# EAGLE board working (EAGLE 9.6.2), part 5 of 28
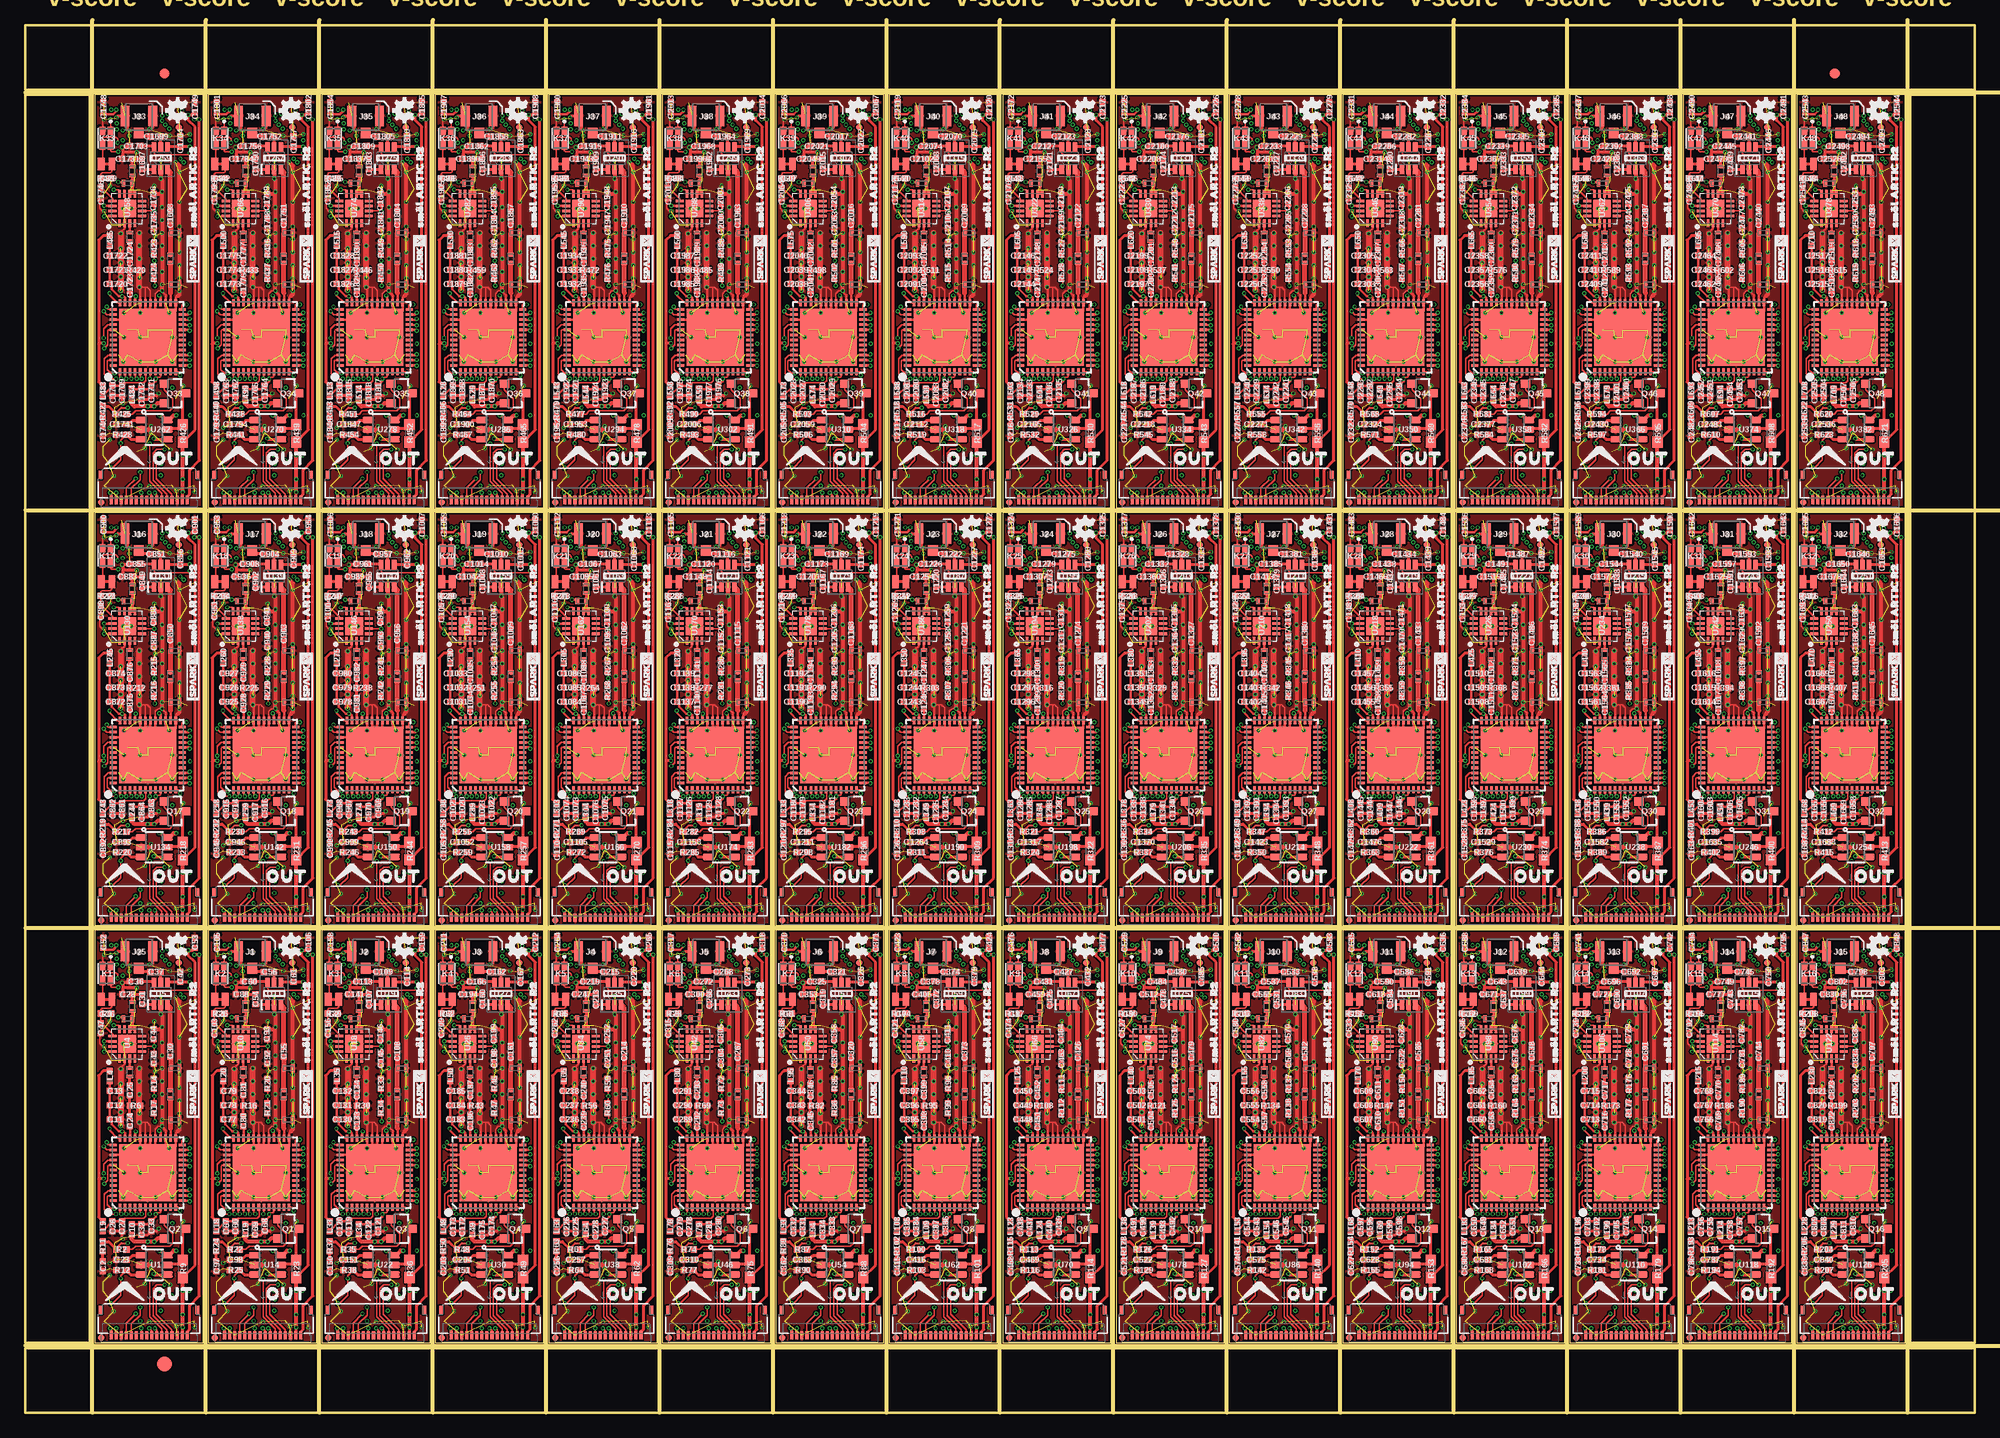
[diagram p0: board, top side]
## Placement (x,y rotation side) (continued)
L528  30Ω  [0402-TIGHT]  41.15,100.65 90 top
L529  30Ω  [0402-TIGHT]  44.01,100.33 270 top
L530  30Ω  [0402-TIGHT]  41.85,115.44 90 top
L531  30Ω  [0402-TIGHT]  42.16,111.76 90 bottom
L532  30Ω  [0402-TIGHT]  44.58,104.71 270 bottom
L533  18nH  [0402_COILCRAFT]  43.81,115.82 90 top
L534  15nH  [0402_COILCRAFT]  42.04,119.32 270 bottom
L535  27nH  [0402_COILCRAFT]  43.62,121.09 0 top
L536  12nH  [0402_COILCRAFT]  44.07,122.3 90 top
L537  30nH  [0402_COILCRAFT]  48.26,111.12 180 top
L538  51nH  [0402_COILCRAFT]  48.26,116.2 180 top
L539  30Ω  [0402-TIGHT]  46.61,104.71 270 bottom
L540  30Ω  [0402-TIGHT]  48.77,98.93 0 bottom
L541  30Ω  [0402-TIGHT]  59.12,109.16 0 bottom
L542  30Ω  [0402-TIGHT]  60.2,107.12 270 bottom
L543  30Ω  [0402-TIGHT]  52.32,100.65 90 top
L544  30Ω  [0402-TIGHT]  55.18,100.33 270 top
L545  30Ω  [0402-TIGHT]  53.02,115.44 90 top
L546  30Ω  [0402-TIGHT]  53.34,111.76 90 bottom
L547  30Ω  [0402-TIGHT]  55.75,104.71 270 bottom
L548  18nH  [0402_COILCRAFT]  54.99,115.82 90 top
L549  15nH  [0402_COILCRAFT]  53.21,119.32 270 bottom
L550  27nH  [0402_COILCRAFT]  54.8,121.09 0 top
L551  12nH  [0402_COILCRAFT]  55.24,122.3 90 top
L552  30nH  [0402_COILCRAFT]  59.44,111.12 180 top
L553  51nH  [0402_COILCRAFT]  59.44,116.2 180 top
L554  30Ω  [0402-TIGHT]  57.78,104.71 270 bottom
L555  30Ω  [0402-TIGHT]  59.94,98.93 0 bottom
L556  30Ω  [0402-TIGHT]  70.29,109.16 0 bottom
L557  30Ω  [0402-TIGHT]  71.37,107.12 270 bottom
L558  30Ω  [0402-TIGHT]  63.5,100.65 90 top
L559  30Ω  [0402-TIGHT]  66.36,100.33 270 top
L560  30Ω  [0402-TIGHT]  64.2,115.44 90 top
L561  30Ω  [0402-TIGHT]  64.52,111.76 90 bottom
L562  30Ω  [0402-TIGHT]  66.93,104.71 270 bottom
L563  18nH  [0402_COILCRAFT]  66.17,115.82 90 top
L564  15nH  [0402_COILCRAFT]  64.39,119.32 270 bottom
L565  27nH  [0402_COILCRAFT]  65.98,121.09 0 top
L566  12nH  [0402_COILCRAFT]  66.42,122.3 90 top
L567  30nH  [0402_COILCRAFT]  70.61,111.12 180 top
L568  51nH  [0402_COILCRAFT]  70.61,116.2 180 top
L569  30Ω  [0402-TIGHT]  68.96,104.71 270 bottom
L570  30Ω  [0402-TIGHT]  71.12,98.93 0 bottom
L571  30Ω  [0402-TIGHT]  81.47,109.16 0 bottom
L572  30Ω  [0402-TIGHT]  82.55,107.12 270 bottom
L573  30Ω  [0402-TIGHT]  74.68,100.65 90 top
L574  30Ω  [0402-TIGHT]  77.53,100.33 270 top
L575  30Ω  [0402-TIGHT]  75.37,115.44 90 top
L576  30Ω  [0402-TIGHT]  75.69,111.76 90 bottom
L577  30Ω  [0402-TIGHT]  78.11,104.71 270 bottom
L578  18nH  [0402_COILCRAFT]  77.34,115.82 90 top
L579  15nH  [0402_COILCRAFT]  75.56,119.32 270 bottom
L580  27nH  [0402_COILCRAFT]  77.15,121.09 0 top
L581  12nH  [0402_COILCRAFT]  77.6,122.3 90 top
L582  30nH  [0402_COILCRAFT]  81.79,111.12 180 top
L583  51nH  [0402_COILCRAFT]  81.79,116.2 180 top
L584  30Ω  [0402-TIGHT]  80.14,104.71 270 bottom
L585  30Ω  [0402-TIGHT]  82.3,98.93 0 bottom
L586  30Ω  [0402-TIGHT]  92.65,109.16 0 bottom
L587  30Ω  [0402-TIGHT]  93.73,107.12 270 bottom
L588  30Ω  [0402-TIGHT]  85.85,100.65 90 top
L589  30Ω  [0402-TIGHT]  88.71,100.33 270 top
L590  30Ω  [0402-TIGHT]  86.55,115.44 90 top
L591  30Ω  [0402-TIGHT]  86.87,111.76 90 bottom
L592  30Ω  [0402-TIGHT]  89.28,104.71 270 bottom
L593  18nH  [0402_COILCRAFT]  88.52,115.82 90 top
L594  15nH  [0402_COILCRAFT]  86.74,119.32 270 bottom
L595  27nH  [0402_COILCRAFT]  88.33,121.09 0 top
L596  12nH  [0402_COILCRAFT]  88.77,122.3 90 top
L597  30nH  [0402_COILCRAFT]  92.96,111.12 180 top
L598  51nH  [0402_COILCRAFT]  92.96,116.2 180 top
L599  30Ω  [0402-TIGHT]  91.31,104.71 270 bottom
L600  30Ω  [0402-TIGHT]  93.47,98.93 0 bottom
L601  30Ω  [0402-TIGHT]  103.82,109.16 0 bottom
L602  30Ω  [0402-TIGHT]  104.9,107.12 270 bottom
L603  30Ω  [0402-TIGHT]  97.03,100.65 90 top
L604  30Ω  [0402-TIGHT]  99.89,100.33 270 top
L605  30Ω  [0402-TIGHT]  97.73,115.44 90 top
L606  30Ω  [0402-TIGHT]  98.04,111.76 90 bottom
L607  30Ω  [0402-TIGHT]  100.46,104.71 270 bottom
L608  18nH  [0402_COILCRAFT]  99.7,115.82 90 top
L609  15nH  [0402_COILCRAFT]  97.92,119.32 270 bottom
L610  27nH  [0402_COILCRAFT]  99.5,121.09 0 top
L611  12nH  [0402_COILCRAFT]  99.95,122.3 90 top
L612  30nH  [0402_COILCRAFT]  104.14,111.12 180 top
L613  51nH  [0402_COILCRAFT]  104.14,116.2 180 top
L614  30Ω  [0402-TIGHT]  102.49,104.71 270 bottom
L615  30Ω  [0402-TIGHT]  104.65,98.93 0 bottom
L616  30Ω  [0402-TIGHT]  115,109.16 0 bottom
L617  30Ω  [0402-TIGHT]  116.08,107.12 270 bottom
L618  30Ω  [0402-TIGHT]  108.2,100.65 90 top
L619  30Ω  [0402-TIGHT]  111.06,100.33 270 top
L620  30Ω  [0402-TIGHT]  108.9,115.44 90 top
L621  30Ω  [0402-TIGHT]  109.22,111.76 90 bottom
L622  30Ω  [0402-TIGHT]  111.63,104.71 270 bottom
L623  18nH  [0402_COILCRAFT]  110.87,115.82 90 top
L624  15nH  [0402_COILCRAFT]  109.09,119.32 270 bottom
L625  27nH  [0402_COILCRAFT]  110.68,121.09 0 top
L626  12nH  [0402_COILCRAFT]  111.12,122.3 90 top
L627  30nH  [0402_COILCRAFT]  115.32,111.12 180 top
L628  51nH  [0402_COILCRAFT]  115.32,116.2 180 top
L629  30Ω  [0402-TIGHT]  113.67,104.71 270 bottom
L630  30Ω  [0402-TIGHT]  115.82,98.93 0 bottom
L631  30Ω  [0402-TIGHT]  126.17,109.16 0 bottom
L632  30Ω  [0402-TIGHT]  127.25,107.12 270 bottom
L633  30Ω  [0402-TIGHT]  119.38,100.65 90 top
L634  30Ω  [0402-TIGHT]  122.24,100.33 270 top
L635  30Ω  [0402-TIGHT]  120.08,115.44 90 top
L636  30Ω  [0402-TIGHT]  120.4,111.76 90 bottom
L637  30Ω  [0402-TIGHT]  122.81,104.71 270 bottom
L638  18nH  [0402_COILCRAFT]  122.05,115.82 90 top
L639  15nH  [0402_COILCRAFT]  120.27,119.32 270 bottom
L640  27nH  [0402_COILCRAFT]  121.86,121.09 0 top
L641  12nH  [0402_COILCRAFT]  122.3,122.3 90 top
L642  30nH  [0402_COILCRAFT]  126.49,111.12 180 top
L643  51nH  [0402_COILCRAFT]  126.49,116.2 180 top
L644  30Ω  [0402-TIGHT]  124.84,104.71 270 bottom
L645  30Ω  [0402-TIGHT]  127,98.93 0 bottom
L646  30Ω  [0402-TIGHT]  137.35,109.16 0 bottom
L647  30Ω  [0402-TIGHT]  138.43,107.12 270 bottom
L648  30Ω  [0402-TIGHT]  130.56,100.65 90 top
L649  30Ω  [0402-TIGHT]  133.41,100.33 270 top
L650  30Ω  [0402-TIGHT]  131.25,115.44 90 top
L651  30Ω  [0402-TIGHT]  131.57,111.76 90 bottom
L652  30Ω  [0402-TIGHT]  133.98,104.71 270 bottom
L653  18nH  [0402_COILCRAFT]  133.22,115.82 90 top
L654  15nH  [0402_COILCRAFT]  131.44,119.32 270 bottom
L655  27nH  [0402_COILCRAFT]  133.03,121.09 0 top
L656  12nH  [0402_COILCRAFT]  133.48,122.3 90 top
L657  30nH  [0402_COILCRAFT]  137.67,111.12 180 top
L658  51nH  [0402_COILCRAFT]  137.67,116.2 180 top
L659  30Ω  [0402-TIGHT]  136.02,104.71 270 bottom
L660  30Ω  [0402-TIGHT]  138.18,98.93 0 bottom
L661  30Ω  [0402-TIGHT]  148.53,109.16 0 bottom
L662  30Ω  [0402-TIGHT]  149.61,107.12 270 bottom
L663  30Ω  [0402-TIGHT]  141.73,100.65 90 top
L664  30Ω  [0402-TIGHT]  144.59,100.33 270 top
L665  30Ω  [0402-TIGHT]  142.43,115.44 90 top
L666  30Ω  [0402-TIGHT]  142.75,111.76 90 bottom
L667  30Ω  [0402-TIGHT]  145.16,104.71 270 bottom
L668  18nH  [0402_COILCRAFT]  144.4,115.82 90 top
L669  15nH  [0402_COILCRAFT]  142.62,119.32 270 bottom
L670  27nH  [0402_COILCRAFT]  144.21,121.09 0 top
L671  12nH  [0402_COILCRAFT]  144.65,122.3 90 top
L672  30nH  [0402_COILCRAFT]  148.84,111.12 180 top
L673  51nH  [0402_COILCRAFT]  148.84,116.2 180 top
L674  30Ω  [0402-TIGHT]  147.19,104.71 270 bottom
L675  30Ω  [0402-TIGHT]  149.35,98.93 0 bottom
L676  30Ω  [0402-TIGHT]  159.7,109.16 0 bottom
L677  30Ω  [0402-TIGHT]  160.78,107.12 270 bottom
L678  30Ω  [0402-TIGHT]  152.91,100.65 90 top
L679  30Ω  [0402-TIGHT]  155.77,100.33 270 top
L680  30Ω  [0402-TIGHT]  153.61,115.44 90 top
L681  30Ω  [0402-TIGHT]  153.92,111.76 90 bottom
L682  30Ω  [0402-TIGHT]  156.34,104.71 270 bottom
L683  18nH  [0402_COILCRAFT]  155.58,115.82 90 top
L684  15nH  [0402_COILCRAFT]  153.8,119.32 270 bottom
L685  27nH  [0402_COILCRAFT]  155.38,121.09 0 top
L686  12nH  [0402_COILCRAFT]  155.83,122.3 90 top
L687  30nH  [0402_COILCRAFT]  160.02,111.12 180 top
L688  51nH  [0402_COILCRAFT]  160.02,116.2 180 top
L689  30Ω  [0402-TIGHT]  158.37,104.71 270 bottom
L690  30Ω  [0402-TIGHT]  160.53,98.93 0 bottom
L691  30Ω  [0402-TIGHT]  170.88,109.16 0 bottom
L692  30Ω  [0402-TIGHT]  171.96,107.12 270 bottom
L693  30Ω  [0402-TIGHT]  164.08,100.65 90 top
L694  30Ω  [0402-TIGHT]  166.94,100.33 270 top
L695  30Ω  [0402-TIGHT]  164.78,115.44 90 top
L696  30Ω  [0402-TIGHT]  165.1,111.76 90 bottom
L697  30Ω  [0402-TIGHT]  167.51,104.71 270 bottom
L698  18nH  [0402_COILCRAFT]  166.75,115.82 90 top
L699  15nH  [0402_COILCRAFT]  164.97,119.32 270 bottom
L700  27nH  [0402_COILCRAFT]  166.56,121.09 0 top
L701  12nH  [0402_COILCRAFT]  167,122.3 90 top
L702  30nH  [0402_COILCRAFT]  171.2,111.12 180 top
L703  51nH  [0402_COILCRAFT]  171.2,116.2 180 top
L704  30Ω  [0402-TIGHT]  169.55,104.71 270 bottom
L705  30Ω  [0402-TIGHT]  171.7,98.93 0 bottom
L706  30Ω  [0402-TIGHT]  182.05,109.16 0 bottom
L707  30Ω  [0402-TIGHT]  183.13,107.12 270 bottom
L708  30Ω  [0402-TIGHT]  175.26,100.65 90 top
L709  30Ω  [0402-TIGHT]  178.12,100.33 270 top
L710  30Ω  [0402-TIGHT]  175.96,115.44 90 top
L711  30Ω  [0402-TIGHT]  176.28,111.76 90 bottom
L712  30Ω  [0402-TIGHT]  178.69,104.71 270 bottom
L713  18nH  [0402_COILCRAFT]  177.93,115.82 90 top
L714  15nH  [0402_COILCRAFT]  176.15,119.32 270 bottom
L715  27nH  [0402_COILCRAFT]  177.74,121.09 0 top
L716  12nH  [0402_COILCRAFT]  178.18,122.3 90 top
L717  30nH  [0402_COILCRAFT]  182.37,111.12 180 top
L718  51nH  [0402_COILCRAFT]  182.37,116.2 180 top
L719  30Ω  [0402-TIGHT]  180.72,104.71 270 bottom
L720  30Ω  [0402-TIGHT]  182.88,98.93 0 bottom
LOGO1  OSHW-LOGOMINI  [OSHW-LOGO-MINI]  26.16,45.97 90 top
LOGO2  OSHW-LOGOMINI  [OSHW-LOGO-MINI]  14.99,45.97 90 top
LOGO3  OSHW-LOGOMINI  [OSHW-LOGO-MINI]  12.19,35.43 0 bottom
LOGO4  OSHW-LOGOMINI  [OSHW-LOGO-MINI]  23.37,35.43 0 bottom
LOGO5  OSHW-LOGOMINI  [OSHW-LOGO-MINI]  37.34,45.97 90 top
LOGO6  OSHW-LOGOMINI  [OSHW-LOGO-MINI]  34.54,35.43 0 bottom
LOGO7  OSHW-LOGOMINI  [OSHW-LOGO-MINI]  48.51,45.97 90 top
LOGO8  OSHW-LOGOMINI  [OSHW-LOGO-MINI]  45.72,35.43 0 bottom
LOGO9  OSHW-LOGOMINI  [OSHW-LOGO-MINI]  59.69,45.97 90 top
LOGO10  OSHW-LOGOMINI  [OSHW-LOGO-MINI]  56.9,35.43 0 bottom
LOGO11  OSHW-LOGOMINI  [OSHW-LOGO-MINI]  70.87,45.97 90 top
LOGO12  OSHW-LOGOMINI  [OSHW-LOGO-MINI]  68.07,35.43 0 bottom
LOGO13  OSHW-LOGOMINI  [OSHW-LOGO-MINI]  82.04,45.97 90 top
LOGO14  OSHW-LOGOMINI  [OSHW-LOGO-MINI]  79.25,35.43 0 bottom
LOGO15  OSHW-LOGOMINI  [OSHW-LOGO-MINI]  93.22,45.97 90 top
LOGO16  OSHW-LOGOMINI  [OSHW-LOGO-MINI]  90.42,35.43 0 bottom
LOGO17  OSHW-LOGOMINI  [OSHW-LOGO-MINI]  104.39,45.97 90 top
LOGO18  OSHW-LOGOMINI  [OSHW-LOGO-MINI]  101.6,35.43 0 bottom
LOGO19  OSHW-LOGOMINI  [OSHW-LOGO-MINI]  115.57,45.97 90 top
LOGO20  OSHW-LOGOMINI  [OSHW-LOGO-MINI]  112.78,35.43 0 bottom
LOGO21  OSHW-LOGOMINI  [OSHW-LOGO-MINI]  126.75,45.97 90 top
LOGO22  OSHW-LOGOMINI  [OSHW-LOGO-MINI]  123.95,35.43 0 bottom
LOGO23  OSHW-LOGOMINI  [OSHW-LOGO-MINI]  137.92,45.97 90 top
LOGO24  OSHW-LOGOMINI  [OSHW-LOGO-MINI]  135.13,35.43 0 bottom
LOGO25  OSHW-LOGOMINI  [OSHW-LOGO-MINI]  149.1,45.97 90 top
LOGO26  OSHW-LOGOMINI  [OSHW-LOGO-MINI]  146.3,35.43 0 bottom
LOGO27  OSHW-LOGOMINI  [OSHW-LOGO-MINI]  160.27,45.97 90 top
LOGO28  OSHW-LOGOMINI  [OSHW-LOGO-MINI]  157.48,35.43 0 bottom
LOGO29  OSHW-LOGOMINI  [OSHW-LOGO-MINI]  171.45,45.97 90 top
LOGO30  OSHW-LOGOMINI  [OSHW-LOGO-MINI]  168.66,35.43 0 bottom
LOGO31  OSHW-LOGOMINI  [OSHW-LOGO-MINI]  182.63,45.97 90 top
LOGO32  OSHW-LOGOMINI  [OSHW-LOGO-MINI]  179.83,35.43 0 bottom
LOGO33  OSHW-LOGOMINI  [OSHW-LOGO-MINI]  14.99,87.12 90 top
LOGO34  OSHW-LOGOMINI  [OSHW-LOGO-MINI]  12.19,76.58 0 bottom
LOGO35  OSHW-LOGOMINI  [OSHW-LOGO-MINI]  26.16,87.12 90 top
LOGO36  OSHW-LOGOMINI  [OSHW-LOGO-MINI]  23.37,76.58 0 bottom
LOGO37  OSHW-LOGOMINI  [OSHW-LOGO-MINI]  37.34,87.12 90 top
LOGO38  OSHW-LOGOMINI  [OSHW-LOGO-MINI]  34.54,76.58 0 bottom
LOGO39  OSHW-LOGOMINI  [OSHW-LOGO-MINI]  48.51,87.12 90 top
LOGO40  OSHW-LOGOMINI  [OSHW-LOGO-MINI]  45.72,76.58 0 bottom
LOGO41  OSHW-LOGOMINI  [OSHW-LOGO-MINI]  59.69,87.12 90 top
LOGO42  OSHW-LOGOMINI  [OSHW-LOGO-MINI]  56.9,76.58 0 bottom
LOGO43  OSHW-LOGOMINI  [OSHW-LOGO-MINI]  70.87,87.12 90 top
LOGO44  OSHW-LOGOMINI  [OSHW-LOGO-MINI]  68.07,76.58 0 bottom
LOGO45  OSHW-LOGOMINI  [OSHW-LOGO-MINI]  82.04,87.12 90 top
LOGO46  OSHW-LOGOMINI  [OSHW-LOGO-MINI]  79.25,76.58 0 bottom
LOGO47  OSHW-LOGOMINI  [OSHW-LOGO-MINI]  93.22,87.12 90 top
LOGO48  OSHW-LOGOMINI  [OSHW-LOGO-MINI]  90.42,76.58 0 bottom
LOGO49  OSHW-LOGOMINI  [OSHW-LOGO-MINI]  104.39,87.12 90 top
LOGO50  OSHW-LOGOMINI  [OSHW-LOGO-MINI]  101.6,76.58 0 bottom
LOGO51  OSHW-LOGOMINI  [OSHW-LOGO-MINI]  115.57,87.12 90 top
LOGO52  OSHW-LOGOMINI  [OSHW-LOGO-MINI]  112.78,76.58 0 bottom
LOGO53  OSHW-LOGOMINI  [OSHW-LOGO-MINI]  126.75,87.12 90 top
LOGO54  OSHW-LOGOMINI  [OSHW-LOGO-MINI]  123.95,76.58 0 bottom
LOGO55  OSHW-LOGOMINI  [OSHW-LOGO-MINI]  137.92,87.12 90 top
LOGO56  OSHW-LOGOMINI  [OSHW-LOGO-MINI]  135.13,76.58 0 bottom
LOGO57  OSHW-LOGOMINI  [OSHW-LOGO-MINI]  149.1,87.12 90 top
LOGO58  OSHW-LOGOMINI  [OSHW-LOGO-MINI]  146.3,76.58 0 bottom
LOGO59  OSHW-LOGOMINI  [OSHW-LOGO-MINI]  160.27,87.12 90 top
LOGO60  OSHW-LOGOMINI  [OSHW-LOGO-MINI]  157.48,76.58 0 bottom
LOGO61  OSHW-LOGOMINI  [OSHW-LOGO-MINI]  171.45,87.12 90 top
LOGO62  OSHW-LOGOMINI  [OSHW-LOGO-MINI]  168.66,76.58 0 bottom
LOGO63  OSHW-LOGOMINI  [OSHW-LOGO-MINI]  182.63,87.12 90 top
LOGO64  OSHW-LOGOMINI  [OSHW-LOGO-MINI]  179.83,76.58 0 bottom
LOGO65  OSHW-LOGOMINI  [OSHW-LOGO-MINI]  14.99,128.27 90 top
LOGO66  OSHW-LOGOMINI  [OSHW-LOGO-MINI]  12.19,117.73 0 bottom
LOGO67  OSHW-LOGOMINI  [OSHW-LOGO-MINI]  26.16,128.27 90 top
LOGO68  OSHW-LOGOMINI  [OSHW-LOGO-MINI]  23.37,117.73 0 bottom
LOGO69  OSHW-LOGOMINI  [OSHW-LOGO-MINI]  37.34,128.27 90 top
LOGO70  OSHW-LOGOMINI  [OSHW-LOGO-MINI]  34.54,117.73 0 bottom
LOGO71  OSHW-LOGOMINI  [OSHW-LOGO-MINI]  48.51,128.27 90 top
LOGO72  OSHW-LOGOMINI  [OSHW-LOGO-MINI]  45.72,117.73 0 bottom
LOGO73  OSHW-LOGOMINI  [OSHW-LOGO-MINI]  59.69,128.27 90 top
LOGO74  OSHW-LOGOMINI  [OSHW-LOGO-MINI]  56.9,117.73 0 bottom
LOGO75  OSHW-LOGOMINI  [OSHW-LOGO-MINI]  70.87,128.27 90 top
LOGO76  OSHW-LOGOMINI  [OSHW-LOGO-MINI]  68.07,117.73 0 bottom
LOGO77  OSHW-LOGOMINI  [OSHW-LOGO-MINI]  82.04,128.27 90 top
LOGO78  OSHW-LOGOMINI  [OSHW-LOGO-MINI]  79.25,117.73 0 bottom
LOGO79  OSHW-LOGOMINI  [OSHW-LOGO-MINI]  93.22,128.27 90 top
LOGO80  OSHW-LOGOMINI  [OSHW-LOGO-MINI]  90.42,117.73 0 bottom
LOGO81  OSHW-LOGOMINI  [OSHW-LOGO-MINI]  104.39,128.27 90 top
LOGO82  OSHW-LOGOMINI  [OSHW-LOGO-MINI]  101.6,117.73 0 bottom
LOGO83  OSHW-LOGOMINI  [OSHW-LOGO-MINI]  115.57,128.27 90 top
LOGO84  OSHW-LOGOMINI  [OSHW-LOGO-MINI]  112.78,117.73 0 bottom
LOGO85  OSHW-LOGOMINI  [OSHW-LOGO-MINI]  126.75,128.27 90 top
LOGO86  OSHW-LOGOMINI  [OSHW-LOGO-MINI]  123.95,117.73 0 bottom
LOGO87  OSHW-LOGOMINI  [OSHW-LOGO-MINI]  137.92,128.27 90 top
LOGO88  OSHW-LOGOMINI  [OSHW-LOGO-MINI]  135.13,117.73 0 bottom
LOGO89  OSHW-LOGOMINI  [OSHW-LOGO-MINI]  149.1,128.27 90 top
LOGO90  OSHW-LOGOMINI  [OSHW-LOGO-MINI]  146.3,117.73 0 bottom
LOGO91  OSHW-LOGOMINI  [OSHW-LOGO-MINI]  160.27,128.27 90 top
LOGO92  OSHW-LOGOMINI  [OSHW-LOGO-MINI]  157.48,117.73 0 bottom
LOGO93  OSHW-LOGOMINI  [OSHW-LOGO-MINI]  171.45,128.27 90 top
LOGO94  OSHW-LOGOMINI  [OSHW-LOGO-MINI]  168.66,117.73 0 bottom
LOGO95  OSHW-LOGOMINI  [OSHW-LOGO-MINI]  182.63,128.27 90 top
LOGO96  OSHW-LOGOMINI  [OSHW-LOGO-MINI]  179.83,117.73 0 bottom
OUT  [FPC_16_0.5MM]  12.19,8.95 180 top
OUT1  [FPC_16_0.5MM]  23.37,8.95 180 top
OUT2  [FPC_16_0.5MM]  34.54,8.95 180 top
OUT3  [FPC_16_0.5MM]  45.72,8.95 180 top
OUT4  [FPC_16_0.5MM]  56.9,8.95 180 top
OUT5  [FPC_16_0.5MM]  68.07,8.95 180 top
OUT6  [FPC_16_0.5MM]  79.25,8.95 180 top
OUT7  [FPC_16_0.5MM]  90.42,8.95 180 top
OUT8  [FPC_16_0.5MM]  101.6,8.95 180 top
OUT9  [FPC_16_0.5MM]  112.78,8.95 180 top
OUT10  [FPC_16_0.5MM]  123.95,8.95 180 top
OUT11  [FPC_16_0.5MM]  135.13,8.95 180 top
OUT12  [FPC_16_0.5MM]  146.3,8.95 180 top
OUT13  [FPC_16_0.5MM]  157.48,8.95 180 top
OUT14  [FPC_16_0.5MM]  168.66,8.95 180 top
OUT15  [FPC_16_0.5MM]  179.83,8.95 180 top
OUT16  [FPC_16_0.5MM]  12.19,50.1 180 top
OUT17  [FPC_16_0.5MM]  23.37,50.1 180 top
OUT18  [FPC_16_0.5MM]  34.54,50.1 180 top
OUT19  [FPC_16_0.5MM]  45.72,50.1 180 top
OUT20  [FPC_16_0.5MM]  56.9,50.1 180 top
OUT21  [FPC_16_0.5MM]  68.07,50.1 180 top
OUT22  [FPC_16_0.5MM]  79.25,50.1 180 top
OUT23  [FPC_16_0.5MM]  90.42,50.1 180 top
OUT24  [FPC_16_0.5MM]  101.6,50.1 180 top
OUT25  [FPC_16_0.5MM]  112.78,50.1 180 top
OUT26  [FPC_16_0.5MM]  123.95,50.1 180 top
OUT27  [FPC_16_0.5MM]  135.13,50.1 180 top
OUT28  [FPC_16_0.5MM]  146.3,50.1 180 top
OUT29  [FPC_16_0.5MM]  157.48,50.1 180 top
OUT30  [FPC_16_0.5MM]  168.66,50.1 180 top
OUT31  [FPC_16_0.5MM]  179.83,50.1 180 top
OUT32  [FPC_16_0.5MM]  12.19,91.25 180 top
OUT33  [FPC_16_0.5MM]  23.37,91.25 180 top
OUT34  [FPC_16_0.5MM]  34.54,91.25 180 top
OUT35  [FPC_16_0.5MM]  45.72,91.25 180 top
OUT36  [FPC_16_0.5MM]  56.9,91.25 180 top
OUT37  [FPC_16_0.5MM]  68.07,91.25 180 top
OUT38  [FPC_16_0.5MM]  79.25,91.25 180 top
OUT39  [FPC_16_0.5MM]  90.42,91.25 180 top
OUT40  [FPC_16_0.5MM]  101.6,91.25 180 top
OUT41  [FPC_16_0.5MM]  112.78,91.25 180 top
OUT42  [FPC_16_0.5MM]  123.95,91.25 180 top
OUT43  [FPC_16_0.5MM]  135.13,91.25 180 top
OUT44  [FPC_16_0.5MM]  146.3,91.25 180 top
OUT45  [FPC_16_0.5MM]  157.48,91.25 180 top
OUT46  [FPC_16_0.5MM]  168.66,91.25 180 top
OUT47  [FPC_16_0.5MM]  179.83,91.25 180 top
Q1  5.8A/30V/35mΩ  [SOT23-3]  25.84,18.1 270 top
Q2  5.8A/30V/35mΩ  [SOT23-3]  14.67,18.1 270 top
Q3  5.8A/30V/35mΩ  [SOT23-3]  37.02,18.1 270 top
Q4  5.8A/30V/35mΩ  [SOT23-3]  48.2,18.1 270 top
Q5  5.8A/30V/35mΩ  [SOT23-3]  59.37,18.1 270 top
Q6  5.8A/30V/35mΩ  [SOT23-3]  70.55,18.1 270 top
Q7  5.8A/30V/35mΩ  [SOT23-3]  81.72,18.1 270 top
Q8  5.8A/30V/35mΩ  [SOT23-3]  92.9,18.1 270 top
Q9  5.8A/30V/35mΩ  [SOT23-3]  104.08,18.1 270 top
Q10  5.8A/30V/35mΩ  [SOT23-3]  115.25,18.1 270 top
Q11  5.8A/30V/35mΩ  [SOT23-3]  126.43,18.1 270 top
Q12  5.8A/30V/35mΩ  [SOT23-3]  137.6,18.1 270 top
Q13  5.8A/30V/35mΩ  [SOT23-3]  148.78,18.1 270 top
Q14  5.8A/30V/35mΩ  [SOT23-3]  159.96,18.1 270 top
Q15  5.8A/30V/35mΩ  [SOT23-3]  171.13,18.1 270 top
Q16  5.8A/30V/35mΩ  [SOT23-3]  182.31,18.1 270 top
Q17  5.8A/30V/35mΩ  [SOT23-3]  14.67,59.25 270 top
Q18  5.8A/30V/35mΩ  [SOT23-3]  25.84,59.25 270 top
Q19  5.8A/30V/35mΩ  [SOT23-3]  37.02,59.25 270 top
Q20  5.8A/30V/35mΩ  [SOT23-3]  48.2,59.25 270 top
Q21  5.8A/30V/35mΩ  [SOT23-3]  59.37,59.25 270 top
Q22  5.8A/30V/35mΩ  [SOT23-3]  70.55,59.25 270 top
Q23  5.8A/30V/35mΩ  [SOT23-3]  81.72,59.25 270 top
Q24  5.8A/30V/35mΩ  [SOT23-3]  92.9,59.25 270 top
Q25  5.8A/30V/35mΩ  [SOT23-3]  104.08,59.25 270 top
Q26  5.8A/30V/35mΩ  [SOT23-3]  115.25,59.25 270 top
Q27  5.8A/30V/35mΩ  [SOT23-3]  126.43,59.25 270 top
Q28  5.8A/30V/35mΩ  [SOT23-3]  137.6,59.25 270 top
Q29  5.8A/30V/35mΩ  [SOT23-3]  148.78,59.25 270 top
Q30  5.8A/30V/35mΩ  [SOT23-3]  159.96,59.25 270 top
Q31  5.8A/30V/35mΩ  [SOT23-3]  171.13,59.25 270 top
Q32  5.8A/30V/35mΩ  [SOT23-3]  182.31,59.25 270 top
Q33  5.8A/30V/35mΩ  [SOT23-3]  14.67,100.39 270 top
Q34  5.8A/30V/35mΩ  [SOT23-3]  25.84,100.39 270 top
Q35  5.8A/30V/35mΩ  [SOT23-3]  37.02,100.39 270 top
Q36  5.8A/30V/35mΩ  [SOT23-3]  48.2,100.39 270 top
Q37  5.8A/30V/35mΩ  [SOT23-3]  59.37,100.39 270 top
Q38  5.8A/30V/35mΩ  [SOT23-3]  70.55,100.39 270 top
Q39  5.8A/30V/35mΩ  [SOT23-3]  81.72,100.39 270 top
Q40  5.8A/30V/35mΩ  [SOT23-3]  92.9,100.39 270 top
Q41  5.8A/30V/35mΩ  [SOT23-3]  104.08,100.39 270 top
Q42  5.8A/30V/35mΩ  [SOT23-3]  115.25,100.39 270 top
Q43  5.8A/30V/35mΩ  [SOT23-3]  126.43,100.39 270 top
Q44  5.8A/30V/35mΩ  [SOT23-3]  137.6,100.39 270 top
Q45  5.8A/30V/35mΩ  [SOT23-3]  148.78,100.39 270 top
Q46  5.8A/30V/35mΩ  [SOT23-3]  159.96,100.39 270 top
Q47  5.8A/30V/35mΩ  [SOT23-3]  171.13,100.39 270 top
Q48  5.8A/30V/35mΩ  [SOT23-3]  182.31,100.39 270 top
R1  10k  [0402-TIGHT]  7.94,39.31 0 top
R2  100  [0402-TIGHT]  9.46,16.07 180 top
R3  3.9  [0402-TIGHT]  9.4,37.59 90 bottom
R4  33k  [0402-TIGHT]  7.7,21.4 270 bottom
R5  100k  [0402-TIGHT]  9.97,17.84 180 bottom
R6  220  [0402-TIGHT]  10.79,30.23 180 top
R7  10k  [0402-TIGHT]  8.25,40.96 0 bottom
R8  100k  [0402-TIGHT]  9.97,18.8 0 bottom
R9  0.1  [0603]  15.49,14.16 270 top
R10  100k  [0402-TIGHT]  21.15,18.8 0 bottom
R11  100  [0402-TIGHT]  7.62,16.38 270 top
R12  10k  [0402-TIGHT]  9.46,14.03 180 top
R13  100k  [0402-TIGHT]  21.15,17.84 180 bottom
R14  470  [0402-TIGHT]  12.64,32.38 270 top
R15  33k  [0402-TIGHT]  18.87,21.4 270 bottom
R16  220  [0402-TIGHT]  21.97,30.23 180 top
R17  47  [0402-TIGHT]  12.64,29.97 90 top
R18  10k  [0402-TIGHT]  19.43,40.96 0 bottom
R19  3.9  [0402-TIGHT]  20.57,37.59 90 bottom
R20  470  [0402-TIGHT]  23.81,32.38 270 top
R21  47  [0402-TIGHT]  23.81,29.97 90 top
R22  100  [0402-TIGHT]  20.64,16.07 180 top
R23  0.1  [0603]  26.67,14.16 270 top
R24  100  [0402-TIGHT]  18.8,16.38 270 top
R25  10k  [0402-TIGHT]  20.64,14.03 180 top
R26  10k  [0402-TIGHT]  19.11,39.31 0 top
R27  100k  [0402-TIGHT]  32.32,18.8 0 bottom
R28  100k  [0402-TIGHT]  32.32,17.84 180 bottom
R29  33k  [0402-TIGHT]  30.05,21.4 270 bottom
R30  220  [0402-TIGHT]  33.15,30.23 180 top
R31  10k  [0402-TIGHT]  30.61,40.96 0 bottom
R32  3.9  [0402-TIGHT]  31.75,37.59 90 bottom
R33  470  [0402-TIGHT]  34.99,32.38 270 top
R34  47  [0402-TIGHT]  34.99,29.97 90 top
R35  100  [0402-TIGHT]  31.81,16.07 180 top
R36  0.1  [0603]  37.85,14.16 270 top
R37  100  [0402-TIGHT]  29.97,16.38 270 top
R38  10k  [0402-TIGHT]  31.81,14.03 180 top
R39  10k  [0402-TIGHT]  30.29,39.31 0 top
R40  100k  [0402-TIGHT]  43.5,18.8 0 bottom
R41  100k  [0402-TIGHT]  43.5,17.84 180 bottom
R42  33k  [0402-TIGHT]  41.22,21.4 270 bottom
R43  220  [0402-TIGHT]  44.32,30.23 180 top
R44  10k  [0402-TIGHT]  41.78,40.96 0 bottom
R45  3.9  [0402-TIGHT]  42.93,37.59 90 bottom
R46  470  [0402-TIGHT]  46.16,32.38 270 top
R47  47  [0402-TIGHT]  46.16,29.97 90 top
R48  100  [0402-TIGHT]  42.99,16.07 180 top
R49  0.1  [0603]  49.02,14.16 270 top
R50  100  [0402-TIGHT]  41.15,16.38 270 top
R51  10k  [0402-TIGHT]  42.99,14.03 180 top
R52  10k  [0402-TIGHT]  41.47,39.31 0 top
R53  100k  [0402-TIGHT]  54.67,18.8 0 bottom
R54  100k  [0402-TIGHT]  54.67,17.84 180 bottom
R55  33k  [0402-TIGHT]  52.4,21.4 270 bottom
R56  220  [0402-TIGHT]  55.5,30.23 180 top
R57  10k  [0402-TIGHT]  52.96,40.96 0 bottom
R58  3.9  [0402-TIGHT]  54.1,37.59 90 bottom
R59  470  [0402-TIGHT]  57.34,32.38 270 top
R60  47  [0402-TIGHT]  57.34,29.97 90 top
R61  100  [0402-TIGHT]  54.17,16.07 180 top
R62  0.1  [0603]  60.2,14.16 270 top
R63  100  [0402-TIGHT]  52.32,16.38 270 top
R64  10k  [0402-TIGHT]  54.17,14.03 180 top
R65  10k  [0402-TIGHT]  52.64,39.31 0 top
R66  100k  [0402-TIGHT]  65.85,18.8 0 bottom
R67  100k  [0402-TIGHT]  65.85,17.84 180 bottom
R68  33k  [0402-TIGHT]  63.58,21.4 270 bottom
R69  220  [0402-TIGHT]  66.67,30.23 180 top
R70  10k  [0402-TIGHT]  64.14,40.96 0 bottom
R71  3.9  [0402-TIGHT]  65.28,37.59 90 bottom
R72  470  [0402-TIGHT]  68.52,32.38 270 top
R73  47  [0402-TIGHT]  68.52,29.97 90 top
R74  100  [0402-TIGHT]  65.34,16.07 180 top
R75  0.1  [0603]  71.37,14.16 270 top
R76  100  [0402-TIGHT]  63.5,16.38 270 top
R77  10k  [0402-TIGHT]  65.34,14.03 180 top
R78  10k  [0402-TIGHT]  63.82,39.31 0 top
R79  100k  [0402-TIGHT]  77.03,18.8 0 bottom
R80  100k  [0402-TIGHT]  77.03,17.84 180 bottom
R81  33k  [0402-TIGHT]  74.75,21.4 270 bottom
R82  220  [0402-TIGHT]  77.85,30.23 180 top
R83  10k  [0402-TIGHT]  75.31,40.96 0 bottom
R84  3.9  [0402-TIGHT]  76.45,37.59 90 bottom
R85  470  [0402-TIGHT]  79.69,32.38 270 top
R86  47  [0402-TIGHT]  79.69,29.97 90 top
R87  100  [0402-TIGHT]  76.52,16.07 180 top
R88  0.1  [0603]  82.55,14.16 270 top
R89  100  [0402-TIGHT]  74.68,16.38 270 top
R90  10k  [0402-TIGHT]  76.52,14.03 180 top
R91  10k  [0402-TIGHT]  74.99,39.31 0 top
R92  100k  [0402-TIGHT]  88.2,18.8 0 bottom
R93  100k  [0402-TIGHT]  88.2,17.84 180 bottom
R94  33k  [0402-TIGHT]  85.93,21.4 270 bottom
R95  220  [0402-TIGHT]  89.03,30.23 180 top
R96  10k  [0402-TIGHT]  86.49,40.96 0 bottom
R97  3.9  [0402-TIGHT]  87.63,37.59 90 bottom
R98  470  [0402-TIGHT]  90.87,32.38 270 top
R99  47  [0402-TIGHT]  90.87,29.97 90 top
R100  100  [0402-TIGHT]  87.69,16.07 180 top
R101  0.1  [0603]  93.73,14.16 270 top
R102  100  [0402-TIGHT]  85.85,16.38 270 top
R103  10k  [0402-TIGHT]  87.69,14.03 180 top
R104  10k  [0402-TIGHT]  86.17,39.31 0 top
R105  100k  [0402-TIGHT]  99.38,18.8 0 bottom
R106  100k  [0402-TIGHT]  99.38,17.84 180 bottom
R107  33k  [0402-TIGHT]  97.1,21.4 270 bottom
R108  220  [0402-TIGHT]  100.2,30.23 180 top
R109  10k  [0402-TIGHT]  97.66,40.96 0 bottom
R110  3.9  [0402-TIGHT]  98.81,37.59 90 bottom
R111  470  [0402-TIGHT]  102.04,32.38 270 top
R112  47  [0402-TIGHT]  102.04,29.97 90 top
R113  100  [0402-TIGHT]  98.87,16.07 180 top